# Altium PCB 2019.06.16.master.PcbDoc (part 1 of 5) (continued)
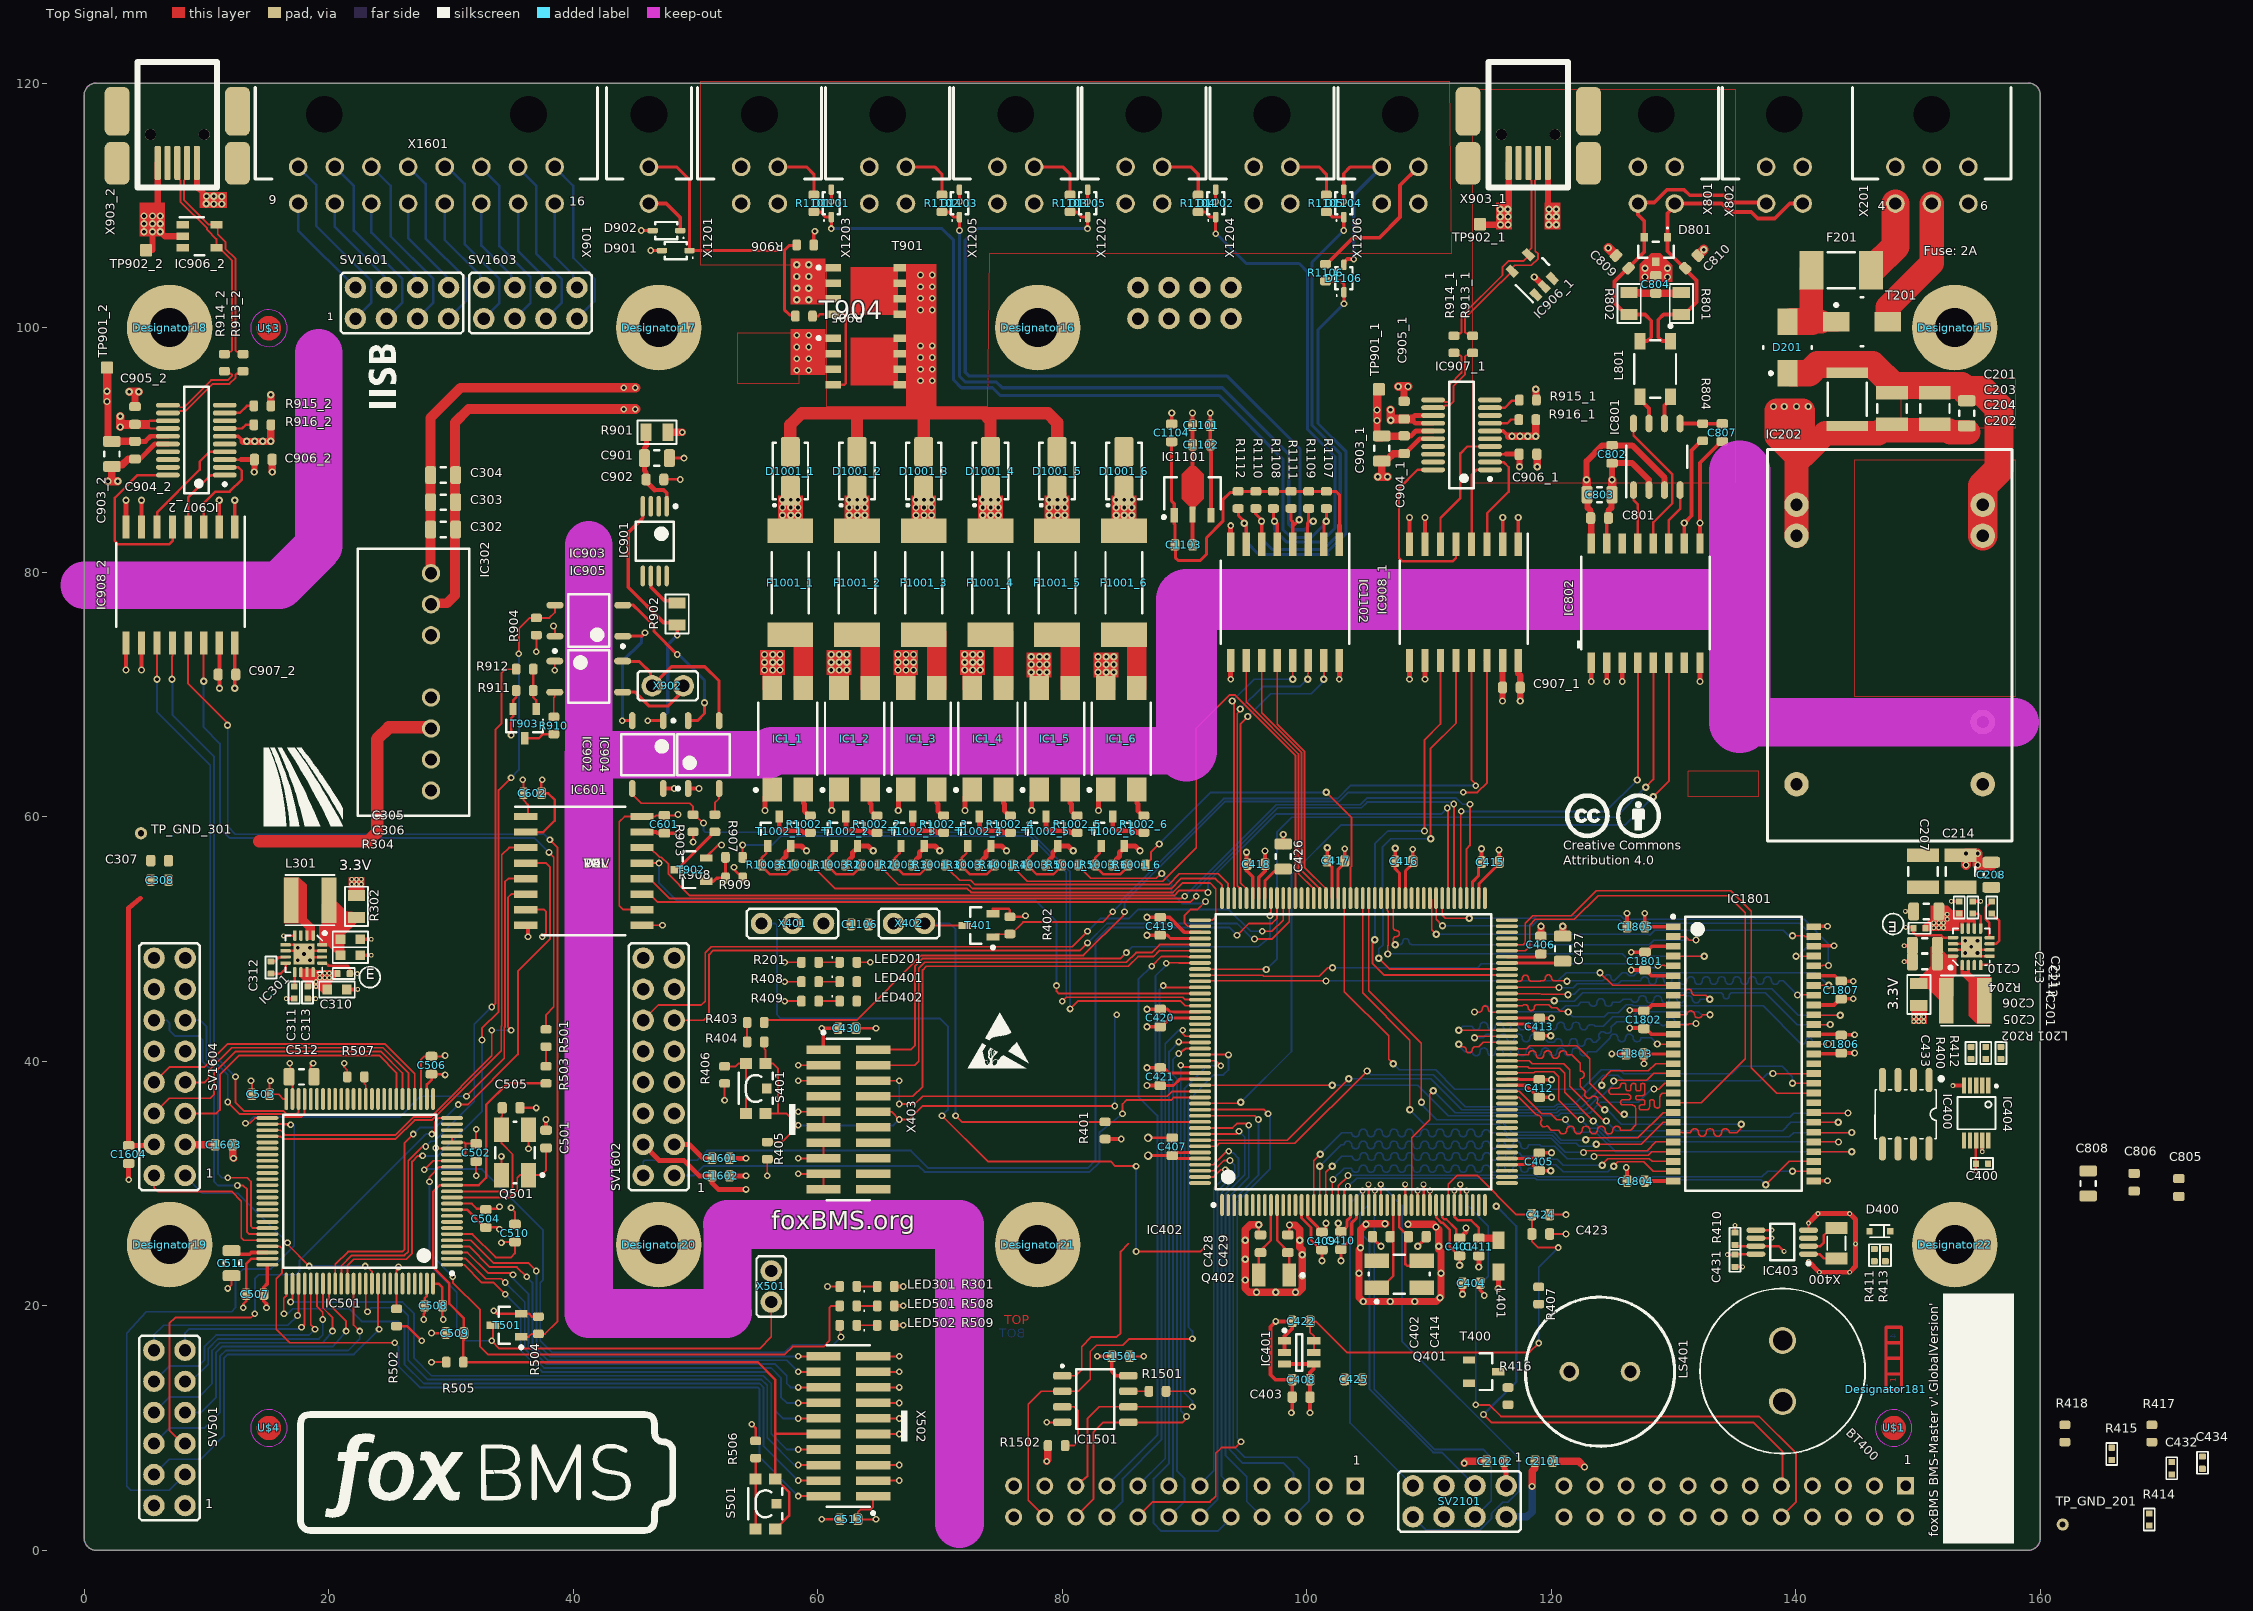
[diagram p0: Top Signal view]
## Components (designator, comment, footprint, x,y, rotation, side; value= is the part's Value field where it differs from the comment) (continued)
IC801 "TCAN1042HGVDRQ1" D0008A_N 128.626,89.433 r90 top value=Value
IC802 "ISOW7841DWER" DWE0016A 127.711,77.468 r90 top value=Value
IC901 "LM317LCPWR" PW8_N 46.672,82.535 r270 top locked
IC902 "CPC1008N" SOP254P610X218-4N 46.101,65.073 r270 top locked
IC903 "CPC1008N" SOP254P610X218-4N 41.286,76.028 r180 top
IC904 "CPC1008N" SOP254P610X218-4N 50.673,65.073 r90 top locked
IC905 "CPC1008N" SOP254P610X218-4N 41.272,71.452 r0 top
IC906_1 "ESDS302DBVR" DBV0005A_N 118.44,104.318 r135 top value=Value (schematic designator IC906)
IC906_2 "ESDS302DBVR" DBV0005A_N 9.449,107.467 r0 top value=Value (schematic designator IC906)
IC907_1 "FT231XS-R" SSOP-20_L 112.658,91.224 r180 top (schematic designator IC907)
IC907_2 "FT231XS-R" SSOP-20_L 9.183,90.792 r180 top (schematic designator IC907)
IC908_1 "ISO7741DWR" DW0016B_N 112.841,77.519 r270 top value=Value (schematic designator IC908)
IC908_2 "ISO7741DWR" DW0016B_N 7.874,78.943 r270 top locked value=Value (schematic designator IC908)
IC1101 "UA78L05CPK" PK0003A_L 90.661,86.351 r90 top locked
IC1102 "ISO7760DWR" DW0016B_N 98.222,77.519 r270 top value=Value
IC1501 "M95M02-DRMN6TP" SOIC127P600X175-8N 82.709,12.368 r0 top locked
IC1801 "IS42S16400J-7TLI" TSOP80P1180X120-54N 135.716,40.596 r0 top locked
JP2201 "SLW-112-01-T-D" SMTC-SLW-112-01-X-D 103.97,5.269 r180 bottom locked
JP2202 "SLW-112-01-T-D" SMTC-SLW-112-01-X-D 148.972,5.272 r180 bottom locked
L201 "1u" WE-LQS 153.856,44.947 r180 top
L301 "1u" WE-LQS 18.483,53.168 r0 top
L401 "BLM21AG471SN1J" MURA-BLM21-H1-CHIP-2_V 115.672,24.054 r90 top
L801 "ACT45B-510-2P-TL003" TDK-ACT45B-510-2P-TL003-4_V 128.499,96.622 r270 top
LED201 "orange" LEDC1608X07N 62.5,48.086 r0 top locked
LED301 "orange" LEDC1608X07N 62.5,21.575 r180 top locked
LED401 "red" LEDC1608X07N 62.5,46.499 r0 top locked
LED402 "green" LEDC1608X07N 62.5,44.911 r0 top locked
LED501 "red" LEDC1608X07N 62.5,19.988 r180 top locked
LED502 "green" LEDC1608X07N 62.5,18.4 r180 top locked
LS401 "PS1240P02CT3" PS12 123.977,14.605 r180 top
Q401 "7B-8.000MAAJ-T" TXC-7B-4_V 107.569,22.581 r0 top
Q402 "ABS07-32.768KHz-T" ABRA-ABS07-2_V 97.307,22.52 r180 top
Q501 "7B-8.000MAAJ-T" TXC-7B-4_V 35.242,32.529 r90 top locked
R201 "130R" RESC1608X05N 59.372,48.086 r0 top locked
R202 "10m" 0805R 150.056,45.447 r90 top
R204 "10k" 0402R 150.114,50.876 r0 top
R301 "130R" RESC1608X05N 65.564,21.575 r0 top locked
R302 "10m" 0805R 22.283,52.668 r270 top
R304 "10k" 0402R 21.233,47.168 r180 top
R400 "100k" 0402R 155.526,40.675 r270 top
R401 "10k" RESC1608X05N 83.502,34.334 r90 top locked
R402 "10k" RESC1608X05N 75.724,51.103 r90 top locked
R403 "0R" RESC1608X05N 54.927,43.165 r0 top locked
R404 "680R" RESC1608X05N 54.927,41.578 r180 top locked
R405 "10k" RESC1608X05N 55.88,32.688 r270 top locked
R406 "0R" RESC1608X05N 52.387,38.879 r90 top locked
R407 "10k" RESC1608X05N 118.971,20.835 r90 top locked
R408 "130R" RESC1608X05N 59.372,46.499 r0 top locked
R409 "130R" RESC1608X05N 59.372,44.911 r0 top locked
R410 "100k" 0402R 135.024,25.481 r90 top
R411 "NF" NF_0402R 146.424,24.133 r270 top
R412 "100k" 0402R 156.77,40.675 r270 top
R413 "10Meg" 0402R 147.324,24.133 r270 top
R414 "4.7k" 0402R 168.91,2.515 r90 top
R415 "4.7k" 0402R 165.837,7.882 r90 top
R416 "1k" RESC1608X05N 116.459,12.61 r90 top
R417 "10R" RESC1608X05N 169.113,9.55 r90 top
R418 "10k" RESC1608X05N 162.001,9.55 r90 top
R501 "0R" RESC1608X05N 37.782,41.895 r90 top locked
R502 "10k" RESC1608X05N 25.559,19.035 r90 top locked
R503 "680R" RESC1608X05N 37.782,38.879 r90 top locked
R504 "10k" RESC1608X05N 37.148,18.4 r90 top locked
R505 "10k" RESC1608X05N 30.321,15.384 r180 top locked
R506 "0R" RESC1608X05N 54.927,8.24 r270 top locked
R507 "10k" RESC1608X05N 22.225,38.72 r0 top locked
R508 "130R" RESC1608X05N 65.564,19.988 r180 top locked
R509 "130R" RESC1608X05N 65.564,18.4 r180 top locked
R801 "59" 0805R 130.632,101.969 r90 top
R802 "59" 0805R 126.365,101.969 r270 top
R804 "0" RESC1608X05N 132.385,91.44 r90 top
R901 "10R" 0805R 46.863,91.44 r0 top
R902 "120R" 0805R 48.509,76.581 r90 top
R903 "10k" RESC1608X05N 49.809,59.461 r90 top
R904 "10k" RESC1608X05N 36.989,75.55 r90 top locked
R905 "10R" RESC1608X05N 58.877,100.94 r0 top
R906 "330R" RESC1608X05N 58.979,106.756 r180 top
R907 "430R" RESC1608X05N 51.587,59.461 r90 top
R908 "10k" RESC1608X05N 53.162,54.991 r0 top
R909 "10R" RESC1608X05N 53.159,56.678 r0 top
R910 "430R" RESC1608X05N 38.417,67.454 r90 top locked
R911 "10k" RESC1608X05N 36.036,70.311 r180 top locked
R912 "10R" RESC1608X05N 36.036,72.058 r180 top locked
R913_1 "27R" RESC1608X05N 113.569,98.628 r90 top (schematic designator R913)
R913_2 "27R" RESC1608X05N 13.005,97.13 r90 top (schematic designator R913)
R914_1 "27R" RESC1608X05N 112.037,98.628 r90 top (schematic designator R914)
R914_2 "27R" RESC1608X05N 11.473,97.13 r90 top (schematic designator R914)
R915_1 "0R" RESC1608X05N 118.087,94.069 r0 top (schematic designator R915)
R915_2 "0R" RESC1608X05N 14.58,93.599 r0 top (schematic designator R915)
R916_1 "0R" RESC1608X05N 118.044,92.461 r0 top (schematic designator R916)
R916_2 "0R" RESC1608X05N 14.58,92.05 r0 top (schematic designator R916)
R1001_1 "10R" RESC1608X05N 58.826,56.058 r0 top (schematic designator R1001)
R1001_2 "10R" RESC1608X05N 64.283,56.058 r0 top (schematic designator R1001)
R1001_3 "10R" RESC1608X05N 69.739,56.058 r0 top (schematic designator R1001)
R1001_4 "10R" RESC1608X05N 75.195,56.058 r0 top (schematic designator R1001)
R1001_5 "10R" RESC1608X05N 80.651,56.058 r0 top (schematic designator R1001)
R1001_6 "10R" RESC1608X05N 86.107,56.058 r0 top (schematic designator R1001)
R1002_1 "430R" RESC1608X05N 59.393,59.385 r90 top (schematic designator R1002)
R1002_2 "430R" RESC1608X05N 64.849,59.385 r90 top (schematic designator R1002)
R1002_3 "430R" RESC1608X05N 70.305,59.385 r90 top (schematic designator R1002)
R1002_4 "430R" RESC1608X05N 75.761,59.385 r90 top (schematic designator R1002)
R1002_5 "430R" RESC1608X05N 81.217,59.385 r90 top (schematic designator R1002)
R1002_6 "430R" RESC1608X05N 86.673,59.385 r90 top (schematic designator R1002)
R1003_1 "10k" RESC1608X05N 56.109,56.058 r180 top (schematic designator R1003)
R1003_2 "10k" RESC1608X05N 61.565,56.058 r180 top (schematic designator R1003)
R1003_3 "10k" RESC1608X05N 67.021,56.058 r180 top (schematic designator R1003)
R1003_4 "10k" RESC1608X05N 72.477,56.058 r180 top (schematic designator R1003)
R1003_5 "10k" RESC1608X05N 77.933,56.058 r180 top (schematic designator R1003)
R1003_6 "10k" RESC1608X05N 83.389,56.058 r180 top (schematic designator R1003)
R1101 "47R" RESC1608X05N 59.69,110.158 r270 top locked
R1102 "47R" RESC1608X05N 70.168,110.158 r270 top locked
R1103 "47R" RESC1608X05N 80.645,110.158 r270 top locked
R1104 "47R" RESC1608X05N 91.123,110.158 r90 top locked
R1105 "47R" RESC1608X05N 101.6,110.158 r90 top locked
R1106 "47R" RESC1608X05N 101.533,104.493 r90 top
R1107 "10k" RESC1608X05N 101.6,85.903 r90 top
R1108 "10k" RESC1608X05N 97.272,85.903 r90 top
R1109 "10k" RESC1608X05N 100.157,85.903 r90 top
R1110 "10k" RESC1608X05N 95.829,85.903 r90 top
R1111 "10k" RESC1608X05N 98.715,85.903 r90 top
R1112 "10k" RESC1608X05N 94.386,85.903 r90 top
R1501 "10k" RESC1608X05N 87.789,13.003 r0 top locked
R1502 "10k" RESC1608X05N 79.534,8.558 r180 top locked
S401 "KMR221GLFS" KMR2_Series 54.927,37.768 r270 top locked
S501 "KMR221GLFS" KMR2_Series 55.721,3.795 r270 top locked
SV501 "samtec_TSW-106-07-G-D" Pinheader_2.54_2x6 6.985,10 r90 top locked
SV901 "samtec_SLW-104-01-G-D" SLW_104_01_G_D 90,102 r180 bottom
SV1601 "samtec_TSW-104-07-G-D" Pinheader_2.54_2x4 26,102 r0 top locked
SV1602 "samtec_TSW-108-07-G-D" Pinheader_2.54_2x8 47,39.54 r90 top locked
SV1603 "samtec_TSW-104-07-G-D" Pinheader_2.54_2x4 36.5,102 r0 top locked
SV1604 "samtec_TSW-108-07-G-D" Pinheader_2.54_2x8 7,39.54 r90 top locked
SV2101 "samtec_TSW-104-07-G-D" Pinheader_2.54_2x4 112.5,4 r180 top locked
T201 "TISP4040H1BJR-S" SMB 145.415,100.482 r0 top
T400 "IRLML0100TRPBF" SOT95P237X110-3N 114.459,14.605 r0 top
T401 "BSS84P" INF-PG-SOT23_N 73.184,51.103 r180 top locked
T501 "BSS84P" INF-PG-SOT23_N 34.608,18.4 r180 top locked
T901 "SQJA60EP-T1_GE3" VISH-POWERPAKSO-8_V 63.935,102.997 r0 top
T902 "IRLML0100TRPBF" SOT95P237X110-3N 49.679,55.662 r180 top
T903 "IRLML0100TRPBF" SOT95P237X110-3N 36.036,67.613 r270 top
T904 "SQJA60EP-T1_GE3" VISH-POWERPAKSO-8_V 63.935,97.231 r0 top
T1002_1 "IRLML0100TRPBF" SOT95P237X110-3N 56.853,58.801 r90 top (schematic designator T1002)
T1002_2 "IRLML0100TRPBF" SOT95P237X110-3N 62.309,58.801 r90 top (schematic designator T1002)
T1002_3 "IRLML0100TRPBF" SOT95P237X110-3N 67.765,58.801 r90 top (schematic designator T1002)
T1002_4 "IRLML0100TRPBF" SOT95P237X110-3N 73.221,58.801 r90 top (schematic designator T1002)
T1002_5 "IRLML0100TRPBF" SOT95P237X110-3N 78.677,58.801 r90 top (schematic designator T1002)
T1002_6 "IRLML0100TRPBF" SOT95P237X110-3N 84.133,58.801 r90 top (schematic designator T1002)
TP901_1 "Testpoint_Square" Testpoint_S1 105.898,94.947 r270 top (schematic designator TP901)
TP901_2 "Testpoint_Square" Testpoint_S1 1.88,96.723 r180 top (schematic designator TP901)
TP902_1 "Testpoint_Square" Testpoint_S1 114.173,108.458 r180 top (schematic designator TP902)
TP902_2 "Testpoint_Square" Testpoint_S1 5.066,106.329 r180 top (schematic designator TP902)
TP_GND_201 "Testpoint_Round" Testpoint_D1V 161.823,2.108 r90 top
TP_GND_301 "Testpoint_Round" Testpoint_D1V 4.65,58.645 r270 top locked
U$1 "" FIDUCIAL_1MM 148,10 r0 top
U$3 "" FIDUCIAL_1MM 15.113,99.949 r0 top
U$4 "" FIDUCIAL_1MM 15.113,10 r0 top
X201 "molex_microfit_3_03x2_THT" MOLEX_MICROFIT_03x2_THT 151.13,117.46 r0 top
X400 "ABS07-120 32.768k" ABS07 143.324,25.111 r270 top
X401 "samtec_TSW-103-07-G-S" Pinheader_2.54_3 57.944,51.261 r180 top locked
X402 "samtec_TSW-102-07-G-S" Pinheader_2.54_2 67.469,51.261 r0 top
X403 "FTSH-110-01-L-DV-007-K-P" CORTEX_DEBUG_20_PIN 62.5,35.228 r0 top locked
X501 "samtec_TSW-102-07-G-S" Pinheader_2.54_2 56.197,21.575 r270 top
X502 "FTSH-110-01-L-DV-007-K-P" CORTEX_DEBUG_20_PIN 62.5,10.145 r180 top locked
X801 "molex_microfit_3_02x2_THT" MOLEX_MICROFIT_02x2_THT 128.588,117.46 r0 top locked
X802 "molex_microfit_3_02x2_THT" MOLEX_MICROFIT_02x2_THT 139.065,117.46 r0 top
X901 "molex_microfit_3_01x2_THT" MOLEX_MICROFIT_01x2_THT 46.2,117.46 r0 top
X902 "samtec_TSW-102-07-G-S" Pinheader_2.54_2 47.74,70.7 r180 top
X903_1 "67503-1020" MOLX-67503-1020_V 119.72,113.464 r270 top locked (schematic designator X903)
X903_2 "67503-1020" MOLX-67503-1020_V 9.225,113.464 r270 top locked (schematic designator X903)
X1201 "molex_microfit_3_02x2_THT" MOLEX_MICROFIT_02x2_THT 55.245,117.46 r0 top
X1202 "molex_microfit_3_02x2_THT" MOLEX_MICROFIT_02x2_THT 86.677,117.46 r0 top
X1203 "molex_microfit_3_02x2_THT" MOLEX_MICROFIT_02x2_THT 65.722,117.46 r0 top
X1204 "molex_microfit_3_02x2_THT" MOLEX_MICROFIT_02x2_THT 97.155,117.46 r0 top
X1205 "molex_microfit_3_02x2_THT" MOLEX_MICROFIT_02x2_THT 76.2,117.46 r0 top
X1206 "molex_microfit_3_02x2_THT" MOLEX_MICROFIT_02x2_THT 107.632,117.46 r0 top
X1601 "molex_microfit_3_08x2_THT" MOLEX_MICROFIT_08x2_THT 28,117.46 r0 top locked

## Footprints (in the part's own frame and the unit in brackets; to place one, negate y for a bottom-side part, rotate by r counter-clockwise, add the part's x,y. Pads: shape width x height; smd on the part's side, far side on the other; paste and mask are expansions set on the pad)
0402C [mm] "Chip Capacitor, 2-Leads, Body 1.0x0.5mm, IPC Medium Density"
  rrect25% 0.5x0.55 smd paste-2: 1(-0.5,0) 2(0.5,0)
  silkscreen extent -0.9,-0.45 0.9,0.45, body extent -0.5,-0.25 0.5,0.25, height 0.5
0402R [mm] "Chip Capacitor, 2-Leads, Body 1.0x0.5mm, IPC Medium Density"
  rrect25% 0.5x0.55 smd paste-2: 1(-0.5,0) 2(0.5,0)
  silkscreen extent -0.9,-0.45 0.9,0.45, body extent -0.5,-0.25 0.5,0.25, height 0.25
0603C [mm]
  rect 0.8x0.8 smd paste-10: 1(-0.8,0) 2(0.8,0)
  silkscreen extent -1.45,-0.65 1.45,0.65, body extent -0.8,-0.4 0.8,0.41, height 1.02
0805R [mm]
  rect 0.9x1.4 smd paste-10: 1(-0.9,0) 2(0.9,0)
  silkscreen extent -1.6,-0.95 1.6,0.95, body extent -1,-0.65 1,0.65, height 0.6
ABRA-ABS07-2_V [mm] "Hand Drawn, 2-Leads, Body 3.2x1.5mm, Pitch 2.5mm"
  rect 1.1x1.9 smd: 1(-1.25,0) 2(1.25,0)
  silkscreen extent -2.48,-0.12 -2.23,0.12, body extent -1.6,-0.75 1.6,0.75, height 0.9
ABS07 [mm]
  rect 1x1.8 smd: 1(-1.25,0) 2(1.25,0)
  silkscreen extent -0.55,-0.75 0.55,0.75, body extent -1.6,-0.75 1.6,0.75, height 0.9
ADI-RJ-6_N [mm] "SOT23, 6-Leads, Body 2.9x1.6mm, Pitch 0.95mm, IPC Medium Density"
  rect 1.1x0.6 smd: 1(-1.2,0.95) 2(-1.2,0) 3(-1.2,-0.95) 4(1.2,-0.95) 5(1.2,0) 6(1.2,0.95)
  silkscreen extent -1.32,-1.5 0.25,1.92, body extent -0.85,-1.5 0.85,1.5, height 1.45
CAPC1608X08N [mm] "Chip Capacitor, 2-Leads, Body 1,60x0,80mm, IPC Medium Density"
  rrect50% 0.75x0.95 smd: 1(-0.725,0) 2(0.725,0)
  body extent -0.85,-0.45 0.85,0.45, height 0.8
CAPC2012X14N [mm] "Chip Capacitor, 2-Leads, Body 2,00x1,25mm, IPC Medium Density"
  rrect40% 0.9x1.45 smd: 1(-1.025,0) 2(1.025,0)
  silkscreen extent -0.2,-0.62 0.2,0.62, body extent -1.1,-0.72 1.1,0.72, height 1.45
CAPC3225X279X50LL20T25 [mm] "Chip Capacitor, 2-Leads, Body 3.40x2.70mm, IPC High Density"
  rect 1.1x2.6 smd: 1(-1.3,0) 2(1.3,0)
  silkscreen extent -0.35,-1.2 0.35,1.2, body extent -1.7,-1.35 1.7,1.35, height 2.79
CAPC4532X270X30LL40 [mm] "Chip Capacitor, 2-Leads, Body 4.90x3.50mm, IPC High Density"
  rect 0.85x3.4 smd: 1(-2.175,0) 2(2.175,0)
  silkscreen extent -1.35,-1.6 1.35,1.6, body extent -2.45,-1.75 2.45,1.75, height 2.7
CORTEX_DEBUG_20_PIN [mm] "ARM Cortex Debug Connector 20 Pin"
  rect 2.8x0.7 smd: 1(-2.035,5.715) 2(2.035,5.715) 3(-2.035,4.445) 4(2.035,4.445) 5(-2.035,3.175) 6(2.035,3.175) 7(-2.035,1.905) 8(2.035,1.905) 9(-2.035,0.635) 10(2.035,0.635) 11(-2.035,-0.635) 12(2.035,-0.635) 13(-2.035,-1.905) 14(2.035,-1.905) 15(-2.035,-3.175) 16(2.035,-3.175) 17(-2.035,-4.445) 18(2.035,-4.445) 19(-2.035,-5.715) 20(2.035,-5.715)
  silkscreen extent -4.83,-6.6 1.78,7.24, body extent -2.92,-6.35 2.92,6.35, height 6.98
D0008A_N [mm]
  oval 1.45x0.6 smd paste+0 mask+0.051: 1(-2.725,1.905) 2(-2.725,0.635) 3(-2.725,-0.635) 4(-2.725,-1.905) 5(2.725,-1.905) 6(2.725,-0.635) 7(2.725,0.635) 8(2.725,1.905)
  silkscreen extent -3.3,-2.5 0.9,2.5, body extent -3.01,-2.45 3.01,2.45, height 1.63
DBV0005A_N [mm]
  rect 1x0.6 smd paste+0 mask+0.051: 1(-1.375,0.95) 2(-1.375,0) 3(-1.375,-0.95) 4(1.375,-0.95) 5(1.375,0.95)
  silkscreen extent -1.62,-1.55 0.38,1.55, body extent -1.4,-1.45 1.4,1.45, height 1.2
DIOM4326X24N [mm] "Molded Diode, 2-Leads, Body 4,30x2,60mm, IPC Medium Density, SMA, DO-214AC"
  rrect25% 2.45x1.55 smd: 1(-1.6,0) 2(1.575,0)
  silkscreen extent -2.9,-1.45 2.3,1.45, body extent -2.52,-1.45 2.52,1.45, height 2.4
DW0016B_N [mm]
  rect 1.9x0.6 smd paste+0 mask+0.051: 1(-4.75,4.445) 2(-4.75,3.175) 3(-4.75,1.905) 4(-4.75,0.635) 5(-4.75,-0.635) 6(-4.75,-1.905) 7(-4.75,-3.175) 8(-4.75,-4.445) 9(4.75,-4.445) 10(4.75,-3.175) 11(4.75,-1.905) 12(4.75,-0.635) 13(4.75,0.635) 14(4.75,1.905) 15(4.75,3.175) 16(4.75,4.445)
  silkscreen extent -5.6,-5.25 3.4,5.25, body extent -5.17,-5.15 5.17,5.15, height 2.59
DWE0016A [mm]
  rect 1.65x0.6 smd paste+0 mask+0: 1(-4.875,4.445) 2(-4.875,3.175) 3(-4.875,1.905) 4(-4.875,0.635) 5(-4.875,-0.635) 6(-4.875,-1.905) 7(-4.875,-3.175) 8(-4.875,-4.445) 9(4.875,-4.445) 10(4.875,-3.175) 11(4.875,-1.905) 12(4.875,-0.635) 13(4.875,0.635) 14(4.875,1.905) 15(4.875,3.175) 16(4.875,4.445)
  silkscreen extent -3.8,-5.25 3.8,5.6, body extent -5.17,-5.15 5.17,5.15, height 2.59
FIDUCIAL_1MM [mm] "FIDUCIAL_1MM"
  Top Signal circle w1: c0,0 r0.5
  Top Signal keep-out circle w0.1: c0,0 r1.5
Hole_3.2_Iso#1 [mm]
  round 7 hole 3.2: Hole_3.2_4(0,0)
Hole_3.2_Iso#2 [mm]
  round 7 hole 3.2: Hole_3.2_3(0,0)
Hole_3.2_Iso#3 [mm]
  round 7 hole 3.2: Hole_3.2_2(0,0)
Hole_3.2_Iso#4 [mm]
  round 7 hole 3.2: Hole_3.2_1(0,0)
Hole_3.2_Iso#5 [mm]
  round 7 hole 3.2: Hole_3.2_5(0,0)
Hole_3.2_Iso#6 [mm]
  round 7 hole 3.2: Hole_3.2_6(0,0)
Hole_3.2_Iso#7 [mm]
  round 7 hole 3.2: Hole_3.2_7(0,0)
Hole_3.2_Iso#8 [mm]
  round 7 hole 3.2: Hole_3.2_8(0,0)
INF-PG-SOT23_N [mm] "SOT23, 3-Leads, Body 2.9x1.3mm, Pitch 0.95mm, IPC Medium Density"
  rect 1.05x0.6 smd: 1(-1.15,0.95) 2(-1.15,-0.95) 3(1.15,0)
  silkscreen extent -1.28,-1.5 0.7,1.92, body extent -0.7,-1.5 0.7,1.5, height 1.1
KMR2_Series [mil] "Microminiature Tact Switch for SMT"
  rect 35.43x39.37 smd: 1(-80.71,-31.5) 2(80.71,-31.5) 3(80.71,31.5) 4(-80.71,31.5)
  rect 31.5x31.5 smd: 5(0,35.43)
  silkscreen extent -50,-55 50,55, body extent -91,-55 91,55, height 76
KW-5R5C [mm]
  round 2.2 hole 1.6: 1(-2.5,0) 2(2.5,0)
  silkscreen extent -6.75,-6.75 6.75,6.75, body extent -6.7,-6.74 6.78,6.74, height 8.36
layermarker4 [mm] "Marker for a 4 layerstack"
  Top Signal lines w0.254: 1.27,0 1.27,-1.27 ; 1.27,0 0,0 0,-1.27 1.27,-1.27 ; 1.27,0 2.54,0 ; 2.54,0 2.54,-1.27 ; 2.54,0 3.81,0 ; 3.81,0 3.81,-1.27 ; 3.81,0 5.08,0 5.08,-1.27 3.81,-1.27 ; 1.27,-1.27 2.54,-1.27 ; 2.54,-1.27 3.81,-1.27
  Bottom Signal lines w0.254: 1.27,0 0,0 0,-1.27 1.27,-1.27 ; 1.27,0 2.54,0 ; 1.27,0 1.27,-1.27 ; 2.54,0 2.54,-1.27 ; 2.54,0 3.81,0 ; 3.81,0 5.08,0 5.08,-1.27 3.81,-1.27 ; 3.81,0 3.81,-1.27 ; 1.27,-1.27 2.54,-1.27 ; 2.54,-1.27 3.81,-1.27
LEDC1608X07N [mm] "LED, 2-Leads, Body 1,60x0,80mm, IPC Medium Density"
  rrect50% 0.7x0.9 smd: 1(-0.7,0) 2(0.7,0)
  silkscreen extent -1.35,0.35 -1.25,0.45, body extent -0.8,-0.4 0.8,0.4, height 0.7
LITTLEFUSE_452_454 [mm] "Littlefuse 452/454 Series Fuse, 2-Leads, Body 6,10x2,69mm, IPC Medium Density"
  rect 1.96x3.15 smd: 1(-2.45,0) 2(2.45,0)
  silkscreen extent -1.1,-1.47 1.1,1.47, body extent -3.15,-1.47 3.15,1.47, height 2.94
MOLEX_MICROFIT_01x2_THT [mil] "Micro-Fit 3.0 Right Angle Header, 3.00mm Pitch, Dual Row, 2 Circuits, with Snap-in Plastic Peg PCB Lock, Tin, Glow Wire Capable, Black, 43045-0200"
  round 60 hole 40: 1(0,-170) 2(0,-287.99)
  round 39.37 hole 117.99 unplated paste+0 mask+4: ""(0,0)
  silkscreen extent -137,-209 137,85, body extent -141,-301 141,181, height 345
MOLEX_MICROFIT_02x2_THT [mil] "Micro-Fit 3.0 Right Angle Header, 3.00mm Pitch, Dual Row, 4 Circuits, with Snap-in Plastic Peg PCB Lock, Tin, Glow Wire Capable, Black, 43045-0400"
  round 60 hole 40: 1(-59.02,-170) 2(59.02,-170) 3(-59.02,-287.99) 4(59.02,-287.99)
  round 39.37 hole 117.99 unplated paste+0 mask+4: ""(0,0)
  silkscreen extent 146,-209 200,85, body extent -200,-301 200,181, height 345
MOLEX_MICROFIT_03x2_THT [mil] "Micro-Fit 3.0 Right Angle Header, 3.00mm Pitch, Dual Row, 6 Circuits, with Snap-in Plastic Peg PCB Lock, Tin, Glow Wire Capable, Black, 43045-0600"
  round 60 hole 40: 1(-117.48,-170) 2(0,-170) 3(117.48,-170) 4(-117.48,-287.99) 5(0,-287.99) 6(117.48,-287.99)
  round 39.37 hole 117.99 unplated paste+0 mask+4: ""(0,0)
  silkscreen extent -256,-209 255,85, body extent -259,-301 259,181, height 345